# Altium PCB BMS Slave V0.1.PcbDoc (part 6 of 6)
Units mm, origin at the board's own origin, x right, y up, seen from the top; angles counter-clockwise.
Board outline 105 x 163 mm, 4 copper layers (Top Layer, L2 (GND), L3 (PWR), Bottom Layer), stack 1.56 mm thick; 517 components, 382 nets, 1358 pads, 1315 vias.
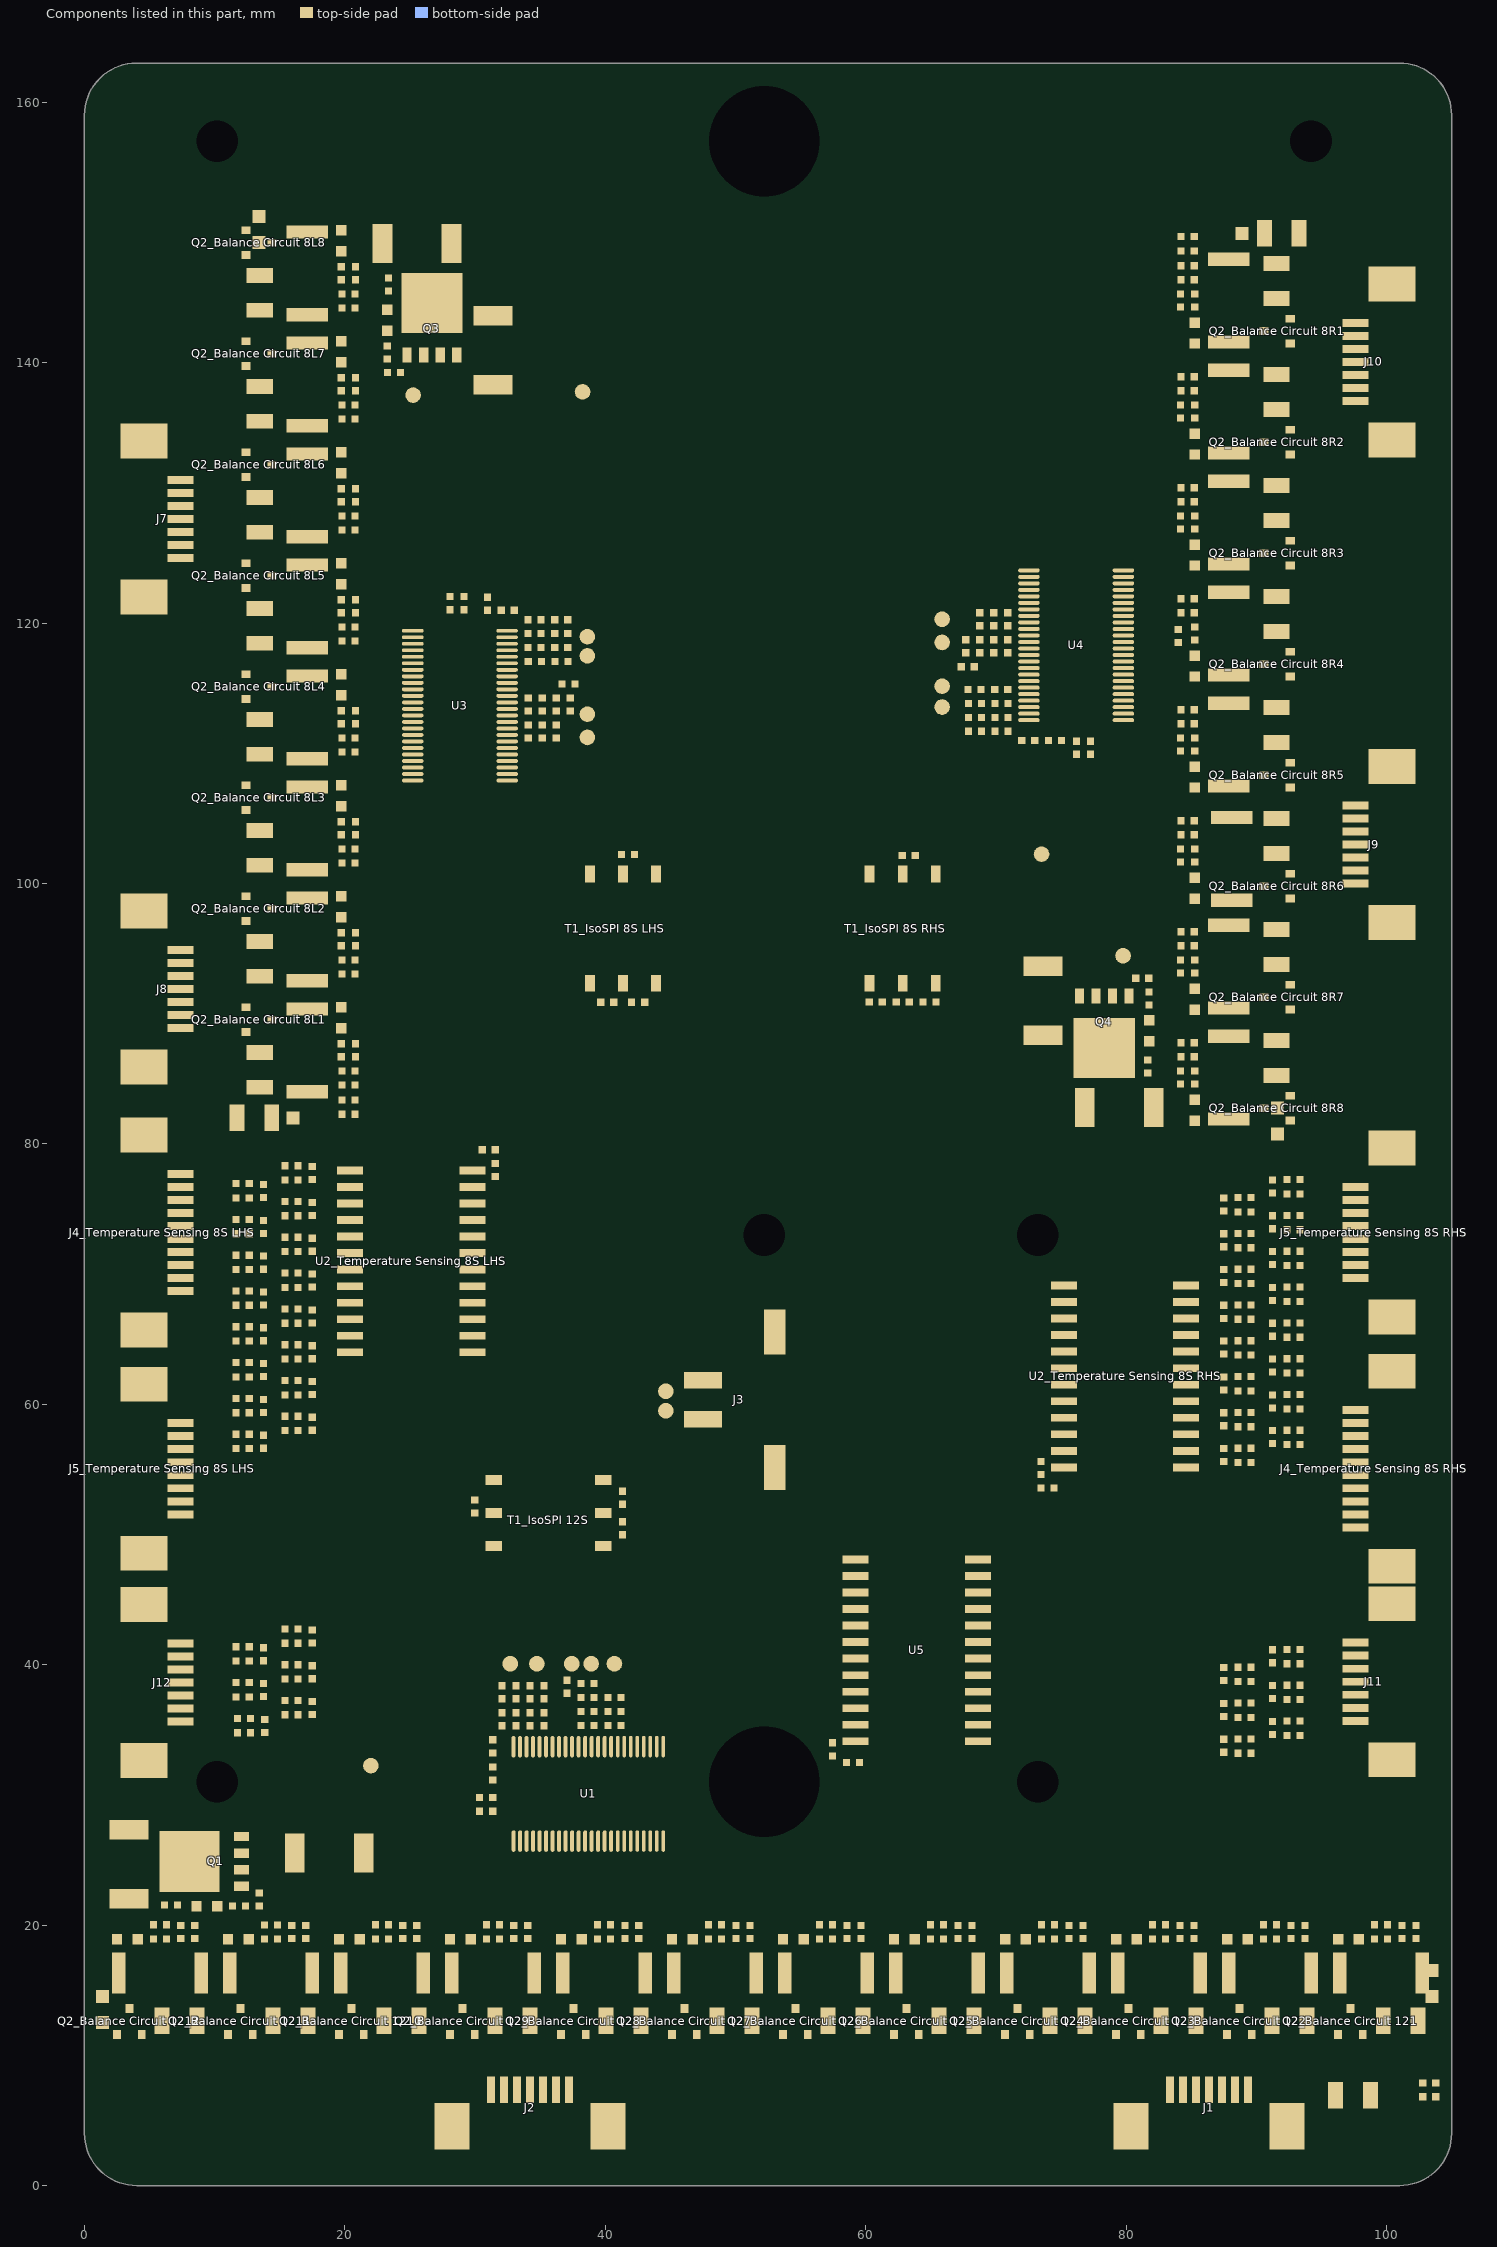
[diagram p8: the components of this part, seen from the top]

## Polygon pours and split planes (outlines as drawn)
GND_8L_1 on Top Layer "NONET_L-01_P-001" (solid, remove dead copper, shelved, pour order 245): 0.325,47.5 0.325,162.975 0.35,163 51.7,163 51.7,101.125 34.025,101.125 34.025,65.45 31.15,62.575 16.075,47.5
VBat8R on Top Layer "Top Layer-VBat8R" (solid, remove dead copper, shelved, pour order 225): 21 vertices, not listed, extent 72.075,79.19 92.112,89.125
VBat12_12 on Top Layer "Top Layer-VBat12_12" (solid, remove dead copper, shelved, pour order 223): 31 vertices, not listed, extent -0.1,11.9 16.95,30.425
GND_12_1 on Top Layer "Top Layer-GND_12_1" (solid, remove dead copper, shelved, pour order 259): 17 vertices, not listed, extent 0,0.05 105,62.45
GND_8R_1 on Top Layer "Top Layer-GND_8R_1" (solid, remove dead copper, shelved, pour order 252): 67.45,49 73.5,49 75,47.5 105,47.5 105,163 51.7,163 51.7,101.125 67.45,101.125 67.45,55.05
B12_12 on Top Layer "Top Layer-B12_11" (solid, remove dead copper, shelved, pour order 235): 14.7,11.225 15.1,11.625 15.1,13.725 12.965,13.725 12.407,13.168 12.325,13.25 10.575,13.25 10.575,18 8.425,18 8.425,13.85 9.375,13.85 9.375,12.125 11.475,12.125 11.475,11.225 13.25,11.225
5V0_8R_1 on Top Layer "NONET_L-01_P-001" (solid, remove dead copper, shelved, pour order 182): 71.637,117.793 71.637,118.293 73.487,118.293 75.525,118.293 75.525,117.378 73.902,117.378 73.487,117.793
5V0_12_1 on Top Layer "NONET_L-01_P-001" (solid, remove dead copper, shelved, pour order 216): 11.453,25.938 12.703,25.938 13.028,26.263 14.203,26.263 14.203,21.963 11.453,21.963
"NetD2_Balance Circuit 1211_2" on Top Layer "NONET_L-01_P-001" (solid, remove dead copper, shelved, pour order 241): 10.575,13.225 10.575,17.975 11.725,17.975 12.325,17.375 12.325,13.225
T12_12 on Top Layer "NONET_L-01_P-001" (solid, remove dead copper, shelved, pour order 240): 1.775,12.925 2.5,13.65 6.5,13.65 6.5,11.65 5.375,11.65 1.475,11.65 1.475,13.225 2.05,13.225
B12_11 on Top Layer "Top Layer-B12_11" (solid, remove dead copper, shelved, pour order 146): 23.225,11.225 23.625,11.625 23.625,13.725 21.49,13.725 20.932,13.168 20.85,13.25 19.1,13.25 19.1,18 16.95,18 16.95,13.85 17.9,13.85 17.9,12.125 20,12.125 20,11.225 21.775,11.225
GND_12_1 on Top Layer "NONET_L-01_P-001" (solid, remove dead copper, shelved, pour order 218): 41.203,34.45 42.203,34.45 42.203,32.706 42.453,32.456 42.453,31.356 40.953,31.356 40.953,32.506 41.203,32.756
B8R_6 on Top Layer "Top Layer-B8L_6" (solid, remove dead copper, shelved, pour order 178): 92.975,110.965 92.575,111.365 90.475,111.365 90.475,109.23 91.032,108.672 90.95,108.59 90.95,106.84 86.2,106.84 86.2,104.69 90.35,104.69 90.35,105.64 92.075,105.64 92.075,107.74 92.975,107.74 92.975,109.515
NetR3_1 on Top Layer "NONET_L-01_P-001" (solid, remove dead copper, shelved, pour order 220): 33.175,25.225 30.925,25.225 30.925,27.475 33.175,27.475
5V0_12_1 on Top Layer "NONET_L-01_P-001" (solid, remove dead copper, shelved, pour order 217): 38.203,34.606 38.703,34.606 38.703,32.756 38.703,30.7 37.788,30.7 37.788,32.341 38.203,32.756
VREF12_2 on Top Layer "NONET_L-01_P-001" (solid, remove dead copper, shelved, pour order 219): 39.703,34.606 40.435,34.606 40.435,31.356 39.453,31.356 39.453,32.506 39.703,32.756
"NetD2_Balance Circuit 121_2" on Top Layer "NONET_L-01_P-001" (solid, remove dead copper, shelved, pour order 119): 95.825,13.225 95.825,17.975 96.975,17.975 97.575,17.375 97.575,13.225
"NetD2_Balance Circuit 122_2" on Top Layer "NONET_L-01_P-001" (solid, remove dead copper, shelved, pour order 120): 87.3,13.225 87.3,17.975 88.45,17.975 89.05,17.375 89.05,13.225
"NetD2_Balance Circuit 123_2" on Top Layer "NONET_L-01_P-001" (solid, remove dead copper, shelved, pour order 121): 78.775,13.225 78.775,17.975 79.925,17.975 80.525,17.375 80.525,13.225
"NetD2_Balance Circuit 124_2" on Top Layer "NONET_L-01_P-001" (solid, remove dead copper, shelved, pour order 122): 70.25,13.225 70.25,17.975 71.4,17.975 72,17.375 72,13.225
"NetD2_Balance Circuit 125_2" on Top Layer "NONET_L-01_P-001" (solid, remove dead copper, shelved, pour order 123): 61.725,13.225 61.725,17.975 62.875,17.975 63.475,17.375 63.475,13.225
"NetD2_Balance Circuit 126_2" on Top Layer "NONET_L-01_P-001" (solid, remove dead copper, shelved, pour order 124): 53.2,13.225 53.2,17.975 54.35,17.975 54.95,17.375 54.95,13.225
"NetD2_Balance Circuit 127_2" on Top Layer "NONET_L-01_P-001" (solid, remove dead copper, shelved, pour order 125): 44.675,13.225 44.675,17.975 45.825,17.975 46.425,17.375 46.425,13.225
"NetD2_Balance Circuit 128_2" on Top Layer "NONET_L-01_P-001" (solid, remove dead copper, shelved, pour order 126): 36.15,13.225 36.15,17.975 37.3,17.975 37.9,17.375 37.9,13.225
"NetD2_Balance Circuit 129_2" on Top Layer "NONET_L-01_P-001" (solid, remove dead copper, shelved, pour order 127): 27.625,13.225 27.625,17.975 28.775,17.975 29.375,17.375 29.375,13.225
"NetD2_Balance Circuit 1210_2" on Top Layer "NONET_L-01_P-001" (solid, remove dead copper, shelved, pour order 128): 19.1,13.225 19.1,17.975 20.25,17.975 20.85,17.375 20.85,13.225
"NetD2_Balance Circuit 1212_2" on Top Layer "NONET_L-01_P-001" (solid, remove dead copper, shelved, pour order 130): 2.05,13.225 2.05,17.975 3.2,17.975 3.8,17.375 3.8,13.225
B12_2 on Top Layer "Top Layer-B12_2" (solid, remove dead copper, shelved, pour order 137): 99.95,11.225 100.35,11.625 100.35,13.725 98.215,13.725 97.657,13.168 97.575,13.25 95.825,13.25 95.825,18 93.675,18 93.675,13.85 94.625,13.85 94.625,12.125 96.725,12.125 96.725,11.225 98.5,11.225
B12_3 on Top Layer "Top Layer-B12_3" (solid, remove dead copper, shelved, pour order 138): 91.425,11.225 91.825,11.625 91.825,13.725 89.69,13.725 89.132,13.168 89.05,13.25 87.3,13.25 87.3,18 85.15,18 85.15,13.85 86.1,13.85 86.1,12.125 88.2,12.125 88.2,11.225 89.975,11.225
B12_4 on Top Layer "Top Layer-B12_4" (solid, remove dead copper, shelved, pour order 139): 82.9,11.225 83.3,11.625 83.3,13.725 81.165,13.725 80.607,13.168 80.525,13.25 78.775,13.25 78.775,18 76.625,18 76.625,13.85 77.575,13.85 77.575,12.125 79.675,12.125 79.675,11.225 81.45,11.225
B12_5 on Top Layer "Top Layer-B12_5" (solid, remove dead copper, shelved, pour order 140): 74.375,11.225 74.775,11.625 74.775,13.725 72.64,13.725 72.082,13.168 72,13.25 70.25,13.25 70.25,18 68.1,18 68.1,13.85 69.05,13.85 69.05,12.125 71.15,12.125 71.15,11.225 72.925,11.225
B12_6 on Top Layer "Top Layer-B12_6" (solid, remove dead copper, shelved, pour order 141): 65.85,11.225 66.25,11.625 66.25,13.725 64.115,13.725 63.557,13.168 63.475,13.25 61.725,13.25 61.725,18 59.575,18 59.575,13.85 60.525,13.85 60.525,12.125 62.625,12.125 62.625,11.225 64.4,11.225
B12_7 on Top Layer "Top Layer-B12_7" (solid, remove dead copper, shelved, pour order 142): 57.325,11.225 57.725,11.625 57.725,13.725 55.59,13.725 55.032,13.168 54.95,13.25 53.2,13.25 53.2,18 51.05,18 51.05,13.85 52,13.85 52,12.125 54.1,12.125 54.1,11.225 55.875,11.225
B12_8 on Top Layer "Top Layer-B12_8" (solid, remove dead copper, shelved, pour order 143): 48.8,11.225 49.2,11.625 49.2,13.725 47.065,13.725 46.507,13.168 46.425,13.25 44.675,13.25 44.675,18 42.525,18 42.525,13.85 43.475,13.85 43.475,12.125 45.575,12.125 45.575,11.225 47.35,11.225
B12_9 on Top Layer "Top Layer-B12_9" (solid, remove dead copper, shelved, pour order 144): 40.275,11.225 40.675,11.625 40.675,13.725 38.54,13.725 37.982,13.168 37.9,13.25 36.15,13.25 36.15,18 34,18 34,13.85 34.95,13.85 34.95,12.125 37.05,12.125 37.05,11.225 38.825,11.225
B12_10 on Top Layer "Top Layer-B12_10" (solid, remove dead copper, shelved, pour order 145): 31.75,11.225 32.15,11.625 32.15,13.725 30.015,13.725 29.457,13.168 29.375,13.25 27.625,13.25 27.625,18 25.475,18 25.475,13.85 26.425,13.85 26.425,12.125 28.525,12.125 28.525,11.225 30.3,11.225
NetC1_2 on Top Layer "NONET_L-01_P-001" (solid, remove dead copper, shelved, pour order 205): 1.95,25.387 4,23.337 10.35,23.337 10.35,27.5 1.95,27.5
V12_0_2 on Top Layer "NONET_L-01_P-001" (solid, remove dead copper, shelved, pour order 213): 88,8.4 88,6.3 93.775,6.3 93.775,5.65 96.9,5.65 96.9,8.4 89.7,8.4
VBat8L on Top Layer "Top Layer-VBat8L 1" (solid, remove dead copper, shelved, pour order 207): 20 vertices, not listed, extent 12.888,142.8 32.913,152.76
T8L_8 on Top Layer "Top Layer-B8L_8" (solid, remove dead copper, shelved, pour order 156): 12.925,149.71 12.925,149.857 14.05,149.857 14.05,148.86 13.968,148.778 14.525,148.22 14.525,146.085 12.425,146.085 12.025,146.485 12.025,149.71
"NetD2_Balance Circuit 8R1_2" on Top Layer "NONET_L-01_P-001" (solid, remove dead copper, shelved, pour order 167): 90.975,141.015 86.225,141.015 86.225,142.165 86.825,142.765 90.975,142.765
"NetD2_Balance Circuit 8R2_2" on Top Layer "NONET_L-01_P-001" (solid, remove dead copper, shelved, pour order 168): 90.975,132.49 86.225,132.49 86.225,133.64 86.825,134.24 90.975,134.24
"NetD2_Balance Circuit 8R3_2" on Top Layer "NONET_L-01_P-001" (solid, remove dead copper, shelved, pour order 169): 90.975,123.965 86.225,123.965 86.225,125.115 86.825,125.715 90.975,125.715
"NetD2_Balance Circuit 8R4_2" on Top Layer "NONET_L-01_P-001" (solid, remove dead copper, shelved, pour order 170): 90.975,115.44 86.225,115.44 86.225,116.59 86.825,117.19 90.975,117.19
"NetD2_Balance Circuit 8R5_2" on Top Layer "NONET_L-01_P-001" (solid, remove dead copper, shelved, pour order 171): 90.975,106.915 86.225,106.915 86.225,108.065 86.825,108.665 90.975,108.665
"NetD2_Balance Circuit 8R6_2" on Top Layer "NONET_L-01_P-001" (solid, remove dead copper, shelved, pour order 172): 90.975,98.39 86.225,98.39 86.225,99.54 86.825,100.14 90.975,100.14
"NetD2_Balance Circuit 8R7_2" on Top Layer "NONET_L-01_P-001" (solid, remove dead copper, shelved, pour order 173): 90.975,89.865 86.225,89.865 86.225,91.015 86.825,91.615 90.975,91.615
"NetD2_Balance Circuit 8R8_2" on Top Layer "NONET_L-01_P-001" (solid, remove dead copper, shelved, pour order 174): 90.975,81.34 86.225,81.34 86.225,82.49 86.825,83.09 90.975,83.09
B8R_3 on Top Layer "Top Layer-B8L_3" (solid, remove dead copper, shelved, pour order 175): 92.975,136.615 92.575,137.015 90.475,137.015 90.475,134.88 91.032,134.322 90.95,134.24 90.95,132.49 86.2,132.49 86.2,130.34 90.35,130.34 90.35,131.29 92.075,131.29 92.075,133.39 92.975,133.39 92.975,135.165
B8R_4 on Top Layer "Top Layer-B8L_4" (solid, remove dead copper, shelved, pour order 176): 92.975,128.09 92.575,128.49 90.475,128.49 90.475,126.355 91.032,125.797 90.95,125.715 90.95,123.965 86.2,123.965 86.2,121.815 90.35,121.815 90.35,122.765 92.075,122.765 92.075,124.865 92.975,124.865 92.975,126.64
B8R_5 on Top Layer "Top Layer-B8L_5" (solid, remove dead copper, shelved, pour order 177): 92.975,119.565 92.575,119.965 90.475,119.965 90.475,117.83 91.032,117.272 90.95,117.19 90.95,115.44 86.2,115.44 86.2,113.29 90.35,113.29 90.35,114.24 92.075,114.24 92.075,116.34 92.975,116.34 92.975,118.115
B8R_7 on Top Layer "Top Layer-B8L_7" (solid, remove dead copper, shelved, pour order 179): 92.975,102.515 92.575,102.915 90.475,102.915 90.475,100.78 91.032,100.222 90.95,100.14 90.95,98.39 86.2,98.39 86.2,96.24 90.35,96.24 90.35,97.19 92.075,97.19 92.075,99.29 92.975,99.29 92.975,101.065
B8R_8 on Top Layer "Top Layer-B8L_8" (solid, remove dead copper, shelved, pour order 180): 92.975,93.99 92.575,94.39 90.475,94.39 90.475,92.255 91.032,91.697 90.95,91.615 90.95,89.865 86.2,89.865 86.2,87.715 90.35,87.715 90.35,88.665 92.075,88.665 92.075,90.765 92.975,90.765 92.975,92.54
B8R_2 on Top Layer "Top Layer-B8L_2" (solid, remove dead copper, shelved, pour order 181): 92.975,145.14 92.575,145.54 90.475,145.54 90.475,143.405 91.032,142.847 90.95,142.765 90.95,141.015 86.2,141.015 86.2,138.865 90.35,138.865 90.35,139.815 92.075,139.815 92.075,141.915 92.975,141.915 92.975,143.69
GND_8R_1 on Top Layer "NONET_L-01_P-001" (solid, remove dead copper, shelved, pour order 183): 71.637,120.793 71.637,121.793 73.537,121.793 73.787,122.043 74.887,122.043 74.887,120.543 73.737,120.543 73.487,120.793
5V0_8R_1 on Top Layer "NONET_L-01_P-001" (solid, remove dead copper, shelved, pour order 184): 77.262,90.743 77.262,91.993 76.937,92.318 76.937,93.493 81.237,93.493 81.237,90.743
T8R_8 on Top Layer "Top Layer-B8L_8" (solid, remove dead copper, shelved, pour order 185): 92.075,82.24 92.075,82.093 90.95,82.093 90.95,83.09 91.032,83.172 90.475,83.73 90.475,85.865 92.575,85.865 92.975,85.465 92.975,82.24
NetC21_2 on Top Layer "NONET_L-01_P-001" (solid, remove dead copper, shelved, pour order 186): 78.637,81.293 80.687,83.343 80.687,89.693 75.787,89.693 75.787,81.293
NetR47_1 on Top Layer "NONET_L-01_P-001" (solid, remove dead copper, shelved, pour order 188): 80.612,112.693 80.612,111.218 79.562,110.468 78.937,112.693
GND_8R_1 on Top Layer "NONET_L-01_P-001" (solid, remove dead copper, shelved, pour order 189): 91.225,148.875 91.225,151.25 86.075,151.25 86.075,148.875
VREF8R_2 on Top Layer "NONET_L-01_P-001" (solid, remove dead copper, shelved, pour order 197): 71.637,119.793 71.637,119.061 74.887,119.061 74.887,120.043 73.737,120.043 73.487,119.793
VREF8L_2 on Top Layer "NONET_L-01_P-001" (solid, remove dead copper, shelved, pour order 195): 33.363,112.657 33.363,111.925 30.113,111.925 30.113,112.907 31.263,112.907 31.513,112.657
GND_8L_1 on Top Layer "NONET_L-01_P-001" (solid, remove dead copper, shelved, pour order 152): 33.363,111.157 33.363,110.157 31.463,110.157 31.213,109.907 30.113,109.907 30.113,111.407 31.263,111.407 31.513,111.157
"NetD2_Balance Circuit 8L1_2" on Top Layer "NONET_L-01_P-001" (solid, remove dead copper, shelved, pour order 111): 14.025,90.935 18.775,90.935 18.775,89.785 18.175,89.185 14.025,89.185
"NetD2_Balance Circuit 8L2_2" on Top Layer "NONET_L-01_P-001" (solid, remove dead copper, shelved, pour order 112): 14.025,99.46 18.775,99.46 18.775,98.31 18.175,97.71 14.025,97.71
"NetD2_Balance Circuit 8L3_2" on Top Layer "NONET_L-01_P-001" (solid, remove dead copper, shelved, pour order 113): 14.025,107.985 18.775,107.985 18.775,106.835 18.175,106.235 14.025,106.235
"NetD2_Balance Circuit 8L4_2" on Top Layer "NONET_L-01_P-001" (solid, remove dead copper, shelved, pour order 114): 14.025,116.51 18.775,116.51 18.775,115.36 18.175,114.76 14.025,114.76
"NetD2_Balance Circuit 8L5_2" on Top Layer "NONET_L-01_P-001" (solid, remove dead copper, shelved, pour order 115): 14.025,125.035 18.775,125.035 18.775,123.885 18.175,123.285 14.025,123.285
"NetD2_Balance Circuit 8L6_2" on Top Layer "NONET_L-01_P-001" (solid, remove dead copper, shelved, pour order 116): 14.025,133.56 18.775,133.56 18.775,132.41 18.175,131.81 14.025,131.81
"NetD2_Balance Circuit 8L7_2" on Top Layer "NONET_L-01_P-001" (solid, remove dead copper, shelved, pour order 117): 14.025,142.085 18.775,142.085 18.775,140.935 18.175,140.335 14.025,140.335
"NetD2_Balance Circuit 8L8_2" on Top Layer "NONET_L-01_P-001" (solid, remove dead copper, shelved, pour order 118): 14.025,150.61 18.775,150.61 18.775,149.46 18.175,148.86 14.025,148.86
B8L_3 on Top Layer "Top Layer-B8L_3" (solid, remove dead copper, shelved, pour order 131): 12.025,95.335 12.425,94.935 14.525,94.935 14.525,97.07 13.968,97.628 14.05,97.71 14.05,99.46 18.8,99.46 18.8,101.61 14.65,101.61 14.65,100.66 12.925,100.66 12.925,98.56 12.025,98.56 12.025,96.785
B8L_4 on Top Layer "Top Layer-B8L_4" (solid, remove dead copper, shelved, pour order 132): 12.025,103.86 12.425,103.46 14.525,103.46 14.525,105.595 13.968,106.153 14.05,106.235 14.05,107.985 18.8,107.985 18.8,110.135 14.65,110.135 14.65,109.185 12.925,109.185 12.925,107.085 12.025,107.085 12.025,105.31
B8L_5 on Top Layer "Top Layer-B8L_5" (solid, remove dead copper, shelved, pour order 133): 12.025,112.385 12.425,111.985 14.525,111.985 14.525,114.12 13.968,114.678 14.05,114.76 14.05,116.51 18.8,116.51 18.8,118.66 14.65,118.66 14.65,117.71 12.925,117.71 12.925,115.61 12.025,115.61 12.025,113.835
B8L_6 on Top Layer "Top Layer-B8L_6" (solid, remove dead copper, shelved, pour order 134): 12.025,120.91 12.425,120.51 14.525,120.51 14.525,122.645 13.968,123.203 14.05,123.285 14.05,125.035 18.8,125.035 18.8,127.185 14.65,127.185 14.65,126.235 12.925,126.235 12.925,124.135 12.025,124.135 12.025,122.36
B8L_7 on Top Layer "Top Layer-B8L_7" (solid, remove dead copper, shelved, pour order 135): 12.025,129.435 12.425,129.035 14.525,129.035 14.525,131.17 13.968,131.728 14.05,131.81 14.05,133.56 18.8,133.56 18.8,135.71 14.65,135.71 14.65,134.76 12.925,134.76 12.925,132.66 12.025,132.66 12.025,130.885
B8L_8 on Top Layer "Top Layer-B8L_8" (solid, remove dead copper, shelved, pour order 136): 12.025,137.96 12.425,137.56 14.525,137.56 14.525,139.695 13.968,140.253 14.05,140.335 14.05,142.085 18.8,142.085 18.8,144.235 14.65,144.235 14.65,143.285 12.925,143.285 12.925,141.185 12.025,141.185 12.025,139.41
B8L_2 on Top Layer "Top Layer-B8L_2" (solid, remove dead copper, shelved, pour order 149): 12.025,86.81 12.425,86.41 14.525,86.41 14.525,88.545 13.968,89.103 14.05,89.185 14.05,90.935 18.8,90.935 18.8,93.085 14.65,93.085 14.65,92.135 12.925,92.135 12.925,90.035 12.025,90.035 12.025,88.26
5V0_8L_1 on Top Layer "NONET_L-01_P-001" (solid, remove dead copper, shelved, pour order 150): 33.363,114.157 33.363,113.657 31.513,113.657 29.45,113.657 29.45,114.407 31.263,114.407 31.513,114.157
5V0_8L_1 on Top Layer "NONET_L-01_P-001" (solid, remove dead copper, shelved, pour order 154): 27.738,141.207 27.738,139.957 28.063,139.632 28.063,138.457 23.763,138.457 23.763,141.207
NetC14_2 on Top Layer "NONET_L-01_P-001" (solid, remove dead copper, shelved, pour order 158): 26.363,150.657 24.313,148.607 24.313,142.257 29.213,142.257 29.213,150.657
NetR29_1 on Top Layer "NONET_L-01_P-001" (solid, shelved, pour order 163): 24.388,119.257 24.388,120.732 25.438,121.482 26.063,119.257
GND_8L_1 on Top Layer "NONET_L-01_P-001" (solid, remove dead copper, shelved, pour order 165): 13.775,83.075 13.775,80.7 18.925,80.7 18.925,83.075
GND_8R_1 on Bottom Layer "Bottom Layer-GND_8R_1" (solid, remove dead copper, shelved, pour order 254): 51.7,101 67.45,101 67.45,50.35 72.15,50.35 75,47.5 105,47.5 105,163 51.7,163
GND_8L_1 on Bottom Layer "NONET_L-01_P-001" (solid, remove dead copper, shelved, pour order 260): 0.325,47.5 0.325,162.975 0.35,163 51.7,163 51.7,101.125 34.025,101.125 34.025,65.45 31.15,62.575 16.075,47.5
GND_12_1 on Bottom Layer "Bottom Layer-GND_12_1" (solid, remove dead copper, shelved, pour order 257): 22 vertices, not listed, extent 0,0.05 105,62.45
VREF12_2 on L3 (PWR) (split plane): 37 vertices, not listed, extent 10.078,24.103 94.422,43.922
GND_12_1 on L3 (PWR) (split plane): 47.324,41.826 21.676,41.826 21.676,46.774 47.324,46.774
GND_12_1 on L3 (PWR) (split plane): 103.924,5.576 2.826,5.576 2.826,20.924 103.924,20.924
5V0_12_1 on L3 (PWR) (split plane): 79 vertices, not listed, extent 0.509,0.509 104.491,62.387
GND_8L_1 on L3 (PWR) (split plane): 27.822,83.243 27.822,70.775 27.828,70.745 27.845,70.72 31.097,67.468 31.097,64.457 29.368,62.728 19.078,62.728 19.078,77.468 21.555,79.945 21.572,79.97 21.578,80 21.578,86.422 24.643,86.422
GND_8L_1 on L3 (PWR) (split plane): 19.672,147.468 19.672,91.282 18.445,90.055 18.428,90.03 18.422,90 18.422,87.5 18.422,83.532 14.468,79.578 10.032,79.578 7.078,82.532 7.078,147.672 19.468,147.672
VREF8L_2 on L3 (PWR) (split plane): 32 vertices, not listed, extent 10.078,56.078 31.922,113.172
5V0_8L_1 on L3 (PWR) (split plane): 40 vertices, not listed, extent 0.509,47.578 52.172,162.491
GND_12_1 on L3 (PWR) (split plane): 36.424,34.576 35.058,34.576 35.058,40.674 36.424,40.674
GND_12_1 on L3 (PWR) (split plane): 19 vertices, not listed, extent 41.078,26.288 72.097,48.922
5V0_12_1 on L3 (PWR) (split plane): 104.489,46.353 76.257,46.353 75.188,47.422 104.489,47.422
5V0_8R_1 on L3 (PWR) (split plane): 42 vertices, not listed, extent 52.328,47.578 104.491,162.491
GND_8R_1 on L3 (PWR) (split plane): 21 vertices, not listed, extent 71.953,65.403 84.922,117.172
GND_8R_1 on L3 (PWR) (split plane): 72.197,105.632 69.968,103.403 68.532,103.403 68.303,103.632 68.303,106.718 70.73,109.145 70.747,109.17 70.753,109.2 70.753,122.197 72.197,122.197
VREF8R_2 on L3 (PWR) (split plane): 28 vertices, not listed, extent 73.153,53.078 94.422,120.465
GND_8R_1 on L3 (PWR) (split plane): 98.172,150.468 98.172,82.032 95.718,79.578 88.782,79.578 86.103,82.257 86.103,114.5 86.103,117.975 86.103,151.493 86.282,151.672 96.968,151.672
GND_8L_1 on L2 (GND) (split plane): 64 vertices, not listed, extent 0.509,48.002 51.798,162.491
GND_12_1 on L2 (GND) (split plane): 111 vertices, not listed, extent 0.509,0.509 104.491,61.787
GND_8R_1 on L2 (GND) (split plane): 68 vertices, not listed, extent 52.802,46.777 104.491,162.491

## Keep-outs
Keep-Out Layer:
  region: 31.15,47.423 cw(c31.15,47.5) 31.073,47.5 31.073,62.574 cw(c31.15,62.575) 31.096,62.63 33.948,65.482 33.948,98.05 cw(c34.025,98.05) 33.971,98.104 36.996,101.129 cw(c37.05,101.075) 37.05,101.152 52.25,101.152 cw(c52.25,101.077) 52.275,101.147 cw(c52.3,101.076) 52.3,101.152 67.45,101.152 cw(c67.45,101.075) 67.527,101.075 67.527,55.082 67.527,50.198 57.307,50.198 54.554,47.446 cw(c54.5,47.5) 54.5,47.423 ccw(c54.5,47.5) 54.554,47.446 54.5,47.423

## Other copper
L2 (GND) (plane layer: these items are gaps in the copper):
  region: 31.15,47.423 cw(c31.15,47.5) 31.073,47.5 31.073,62.575 cw(c31.15,62.575) 31.096,62.629 33.948,65.482 33.948,98.05 cw(c34.025,98.05) 33.971,98.104 36.996,101.129 cw(c37.05,101.075) 37.05,101.152 52.25,101.152 cw(c52.25,101.075) 52.275,101.147 cw(c52.3,101.075) 52.3,101.152 67.45,101.152 cw(c67.45,101.075) 67.527,101.075 67.527,55.544 cw(c67.45,55.05) 67.804,55.404 72.579,50.629 cw(c72.225,50.275) 72.725,50.275 cw(c72.225,50.275) 72.225,49.775 57.275,49.775 cw(c57.275,50.275) 56.979,49.871 55.554,48.446 cw(c55.5,48.5) 55.446,48.554 56.871,49.979 cw(c57.275,50.275) 57.275,50.775 71.017,50.775 67.096,54.696 cw(c67.45,55.05) 67.373,55.544 67.373,100.998 52.3,100.998 cw(c52.3,101.075) 52.275,101.003 cw(c52.25,101.075) 52.25,100.998 37.082,100.998 34.102,98.018 34.102,65.45 cw(c34.025,65.45) 34.079,65.396 ccw(c34.025,65.45) 34.102,65.45 34.079,65.396 31.227,62.543 31.227,47.577 54.5,47.577 cw(c54.5,47.5) 54.577,47.5 cw(c54.5,47.5) 54.5,47.423
  region: 31.15,47.5 31.15,62.575 34.025,65.45 34.025,98.05 37.05,101.075 67.45,101.075 67.45,55.05 72.225,50.275 57.275,50.275 54.5,47.5
  lines w0.152: 0,136 0,0 105,0 105,136 ; 45.525,163 52.3,163 ; 52.25,112.1 52.25,101.075 37.05,101.075 34.025,98.05 34.025,65.45 ; 52.3,101.075 67.45,101.075 67.45,98.2 67.45,55.05 ; 57.275,50.275 55.5,48.5 54.5,47.5 31.15,47.5 31.15,62.575 ; 31.15,62.575 31.15,62.575 ; 31.15,62.575 34.025,65.45 ; 34.025,65.45 34.025,65.45
  lines w1: 0.325,47.5 16.075,47.5 31.15,62.575 ; 52.3,101.075 52.3,155.503 52.3,163 ; 57.275,50.275 72.225,50.275 ; 67.45,55.05 72.225,50.275 ; 105,46.275 76.225,46.275 72.225,50.275
L3 (PWR) (plane layer: these items are gaps in the copper):
  region: 31.15,47.5 31.15,62.575 34.025,65.45 34.025,98.05 37.05,101.075 67.45,101.075 67.45,55.05 72.225,50.275 57.275,50.275 54.5,47.5
  lines w0.15: 2.75,5.5 104,5.5 104,21 2.75,21 2.75,5.5 ; 21.6,41.75 47.4,41.75 47.4,46.85 21.6,46.85 21.6,41.75 ; 34.981,34.5 36.5,34.5 36.5,40.75 34.981,40.75 34.981,34.5
  lines w0.152: 0,47.5 16.1,47.5 ; 0.325,47.5 16.075,47.5 31.15,62.575 31.15,47.5 54.5,47.5 55.5,48.5 57.275,50.275 72.225,50.275 ; 16.1,47.525 34.025,65.45 34.025,98.05 37.05,101.075 52.25,101.075 52.25,163 ; 19,62.65 29.4,62.65 31.175,64.425 31.175,67.5 27.9,70.775 27.9,83.275 24.675,86.5 21.5,86.5 ; 42.45,163.05 42.5,163 57.909,163 ; 45.525,163 52.25,163 ; 75,47.5 105,47.5 ; 85,65.475 84.85,65.325 73.35,65.325 71.875,66.8 71.875,96.65 75.975,100.75 75.975,117.25 78.025,117.25 80.259,115.016 80.259,98.309 75.95,94 75.95,80.1 85,71.05 85,70.925 ; 105,46.275 76.225,46.275 72.225,50.275 ; 10,79.5 7,82.5 7,147.75 19.5,147.75 19.75,147.5 19.75,91.25 18.5,90 ; 10,79.5 14.5,79.5 ; 10,79.5 14.5,79.5 ; 10,79.5 10,56 19,56 19,77.5 21.5,80 21.5,86.5 ; 14.5,79.5 18.5,83.5 ; 14.5,79.5 18.5,83.5 ; 18.5,83.5 18.5,90 ; 18.5,83.5 18.5,87.5 18.5,90 ; 18.5,90 24,95.5 24,111.5 25.75,113.25 32,113.25 32,111.5 28,111.5 28,93 21.5,86.5 ; 41,34 41.8,34 56.8,49 69.8,49 72.175,46.625 72.175,44.225 70.325,42.375 55.125,42.375 44.85,32.1 44.85,26.1 ; 41,34 41,31 41,29.95 44.85,26.1 ; 41,34 28,34 18,44 10,44 10,32.75 20.25,32.75 30,32.75 35.3,32.75 38.95,32.75 38.95,27.7 39.275,27.7 42.95,24.025 86.775,24.025 94.5,31.75 94.5,42.25 85.25,42.25 85.25,37.95 85.25,34.5 82.5,31.75 76.85,26.1 44.85,26.1 ; 52.25,163 52.25,101 67.45,101 67.45,98.2 67.45,55.05 72.225,50.275 ; 86.025,117.975 86.025,151.525 86.25,151.75 91.75,151.75 97,151.75 98.25,150.5 98.25,82 95.75,79.5 94,79.5 ; 86.025,117.975 86.025,114.5 86.025,82.225 88.75,79.5 94,79.5 ; 86.025,117.975 83.457,120.543 75.457,120.543 73.075,120.543 73.075,118.75 75.5,118.75 82.475,118.75 83.25,117.975 83.25,111.225 83.25,84.25 83.25,78.75 85,77 85,53 94.5,53 94.5,79 94,79.5 ; 0,0 0,163 105,163 105,0 0,0 ; 68.225,103.6 68.5,103.325 70,103.325 72.275,105.6 72.275,122.275 70.675,122.275 70.675,109.2 68.225,106.75 68.225,103.6

## Silkscreen, mask and mechanical layers (free items; w line width, h text height)
Top Overlay:
  drawing of 20 lines, arcs and shapes, not listed
  text "GND" at 36.5,139 h2
  text "5V" at 24.25,135.5 h2
  text "VREF2" at 59.75,119.75 h2
  text "IBIAS" at 40.894,118.5 h2
  text "VREF1" at 59.75,118 h2
  text "ICMP" at 40.894,117 h2
  text "ICMP" at 59.75,114.5 h2
  text "IBIAS" at 59.75,113 h2
  text "VREF1" at 40.187,112.5 h2
  text "VREF2" at 40,110.5 h2
  text "GND" at 71.75,103.5 h2
  text "5V" at 79,95.5 h2
  text "_N" at 41.5,61.5 h2
  text "_P" at 41.75,57.75 h2
  text "ICMP" at 33.25,42.394 h2 r90
  text "IBIAS" at 35.25,42.394 h2 r90
  text "5V" at 37.925,42.394 h2 r90
  text "VREF1" at 39.5,41.687 h2 r90
  text "VREF2" at 41.25,41.5 h2 r90
  text "GND" at 20.25,33.5 h2
  text "'.ProjectTitle' '.Version' / 02/22" at 49.925,1.825 h3.5
Plane Assist:
  lines w0.1: 42.5,70 42.5,163 42.45,163.05 4,163.05 ccw(c4,159.05) 0,159.05 0,47.5 ; 62.5,60 62.5,163 ; 62.5,163.05 101,163.05 cw(c101,159.05) 105,159.05 ; 105,159 105,47.5 ; 0,47.5 0,4.05 ccw(c4,4.05) 4,0.05 101,0.05 ccw(c101,4.05) 105,4.05 105,47.5 ; 0,47.5 20,47.5 25,52.5 70,52.5 75,47.5 105,47.5
Layout Assist:
  lines w0.152: 0,47.5 16.1,47.5 ; 16.1,47.525 34.025,65.45 34.025,96.775 34.9,97.65 43.75,97.65 45.525,99.425 45.525,118.825 42.5,121.85 42.5,133.25 42.5,163 42.45,163.05 ; 16.55,47.975 31.125,47.975 ; 30.925,47.975 54.975,47.975 55.5,48.5 57.275,50.275 72.225,50.275 ; 59.875,162.922 59.875,101.4 67.45,101.4 67.45,98.2 67.45,55.05 72.225,50.275 ; 105,46.275 76.225,46.275 72.225,50.275 ; 0,0 105,0 105,163 0,163 0,0
Layout Assist L3:
  lines w0.152: 0,47.5 20,47.5 42.5,70 42.5,163 ; 19,62.65 30.725,62.65 31.175,63.1 31.175,67.5 27.9,70.775 27.9,83.275 24.675,86.5 21.5,86.5 ; 25,52.5 70,52.5 ; 62.5,163 62.5,60 75,47.5 105,47.5 ; 85,65.475 84.85,65.325 73.35,65.325 71.875,66.8 71.875,96.65 75.975,100.75 75.975,117.25 78.025,117.25 80.259,115.016 80.259,98.31 75.95,94 75.95,80.1 85,71.05 85,70.925 ; 10,79.5 10,56 19,56 19,77.5 21.5,80 21.5,86.5 ; 10,79.5 14.5,79.5 ; 10,79.5 14.5,79.5 ; 10,79.5 7,82.5 7,147.75 19.5,147.75 19.75,147.5 19.75,91.25 18.5,90 ; 14.5,79.5 18.5,83.5 ; 14.5,79.5 18.5,83.5 ; 18.5,83.5 18.5,87.5 18.5,90 ; 18.5,83.5 18.5,90 ; 18.5,90 24,95.5 24,111.5 25.75,113.25 32,113.25 32,111.5 28,111.5 28,93 21.5,86.5 ; 41,34 30,34 20,44 10,44 10,32.75 20.25,32.75 30,32.75 35.3,32.75 38.95,32.75 38.95,27.7 39.275,27.7 42.95,24.025 86.775,24.025 94.5,31.75 94.5,42.25 85.25,42.25 85.25,37.95 85.25,34.5 82.5,31.75 76.85,26.1 44.85,26.1 ; 41,34 41,31 41,29.95 44.85,26.1 ; 41,34 41.8,34 56.8,49 69.8,49 72.175,46.625 72.175,44.225 70.325,42.375 55.125,42.375 44.85,32.1 44.85,26.1 ; 86.025,117.975 83.457,120.543 75.457,120.543 73.075,120.543 73.075,118.75 75.5,118.75 82.475,118.75 83.25,117.975 83.25,111.225 83.25,84.25 83.25,78.75 85,77 85,53 94.5,53 94.5,79 94,79.5 ; 86.025,117.975 86.025,114.5 86.025,82.225 88.75,79.5 94,79.5 ; 86.025,117.975 86.025,151.525 86.25,151.75 91.75,151.75 97,151.75 98.25,150.5 98.25,82 95.75,79.5 94,79.5 ; 0,0 105,0 105,163 0,163 0,0 ; 68.225,105.475 68.225,106.75 70.675,109.2 70.675,122.275 72.275,122.275 72.275,106.45 70.75,104.925 68.775,104.925 68.225,105.475
Fabrication Specification:
  drawing of 151 lines, arcs and shapes, not listed
  text "Traces on this layer require impedance control of 100ohms (differential impedance)" at 15,124.925 h5
  text "NO COPPER ON ANY LAYER IN THIS REGION" at 35.6,67.775 h5
  text "Traces on this layer require impedance control of 100ohms (differential impedance)" at 6.7,17.925 h5
Board Shape:
  the board outline again, w0.1

## Text inside footprints (layer, text, board x,y; h text height)
aaa1: Top Overlay "TRACTIVE / VOLTAGE" at 45.825,76.3 h3